# KiCad board corne-cherry.kicad_pcb (continued)
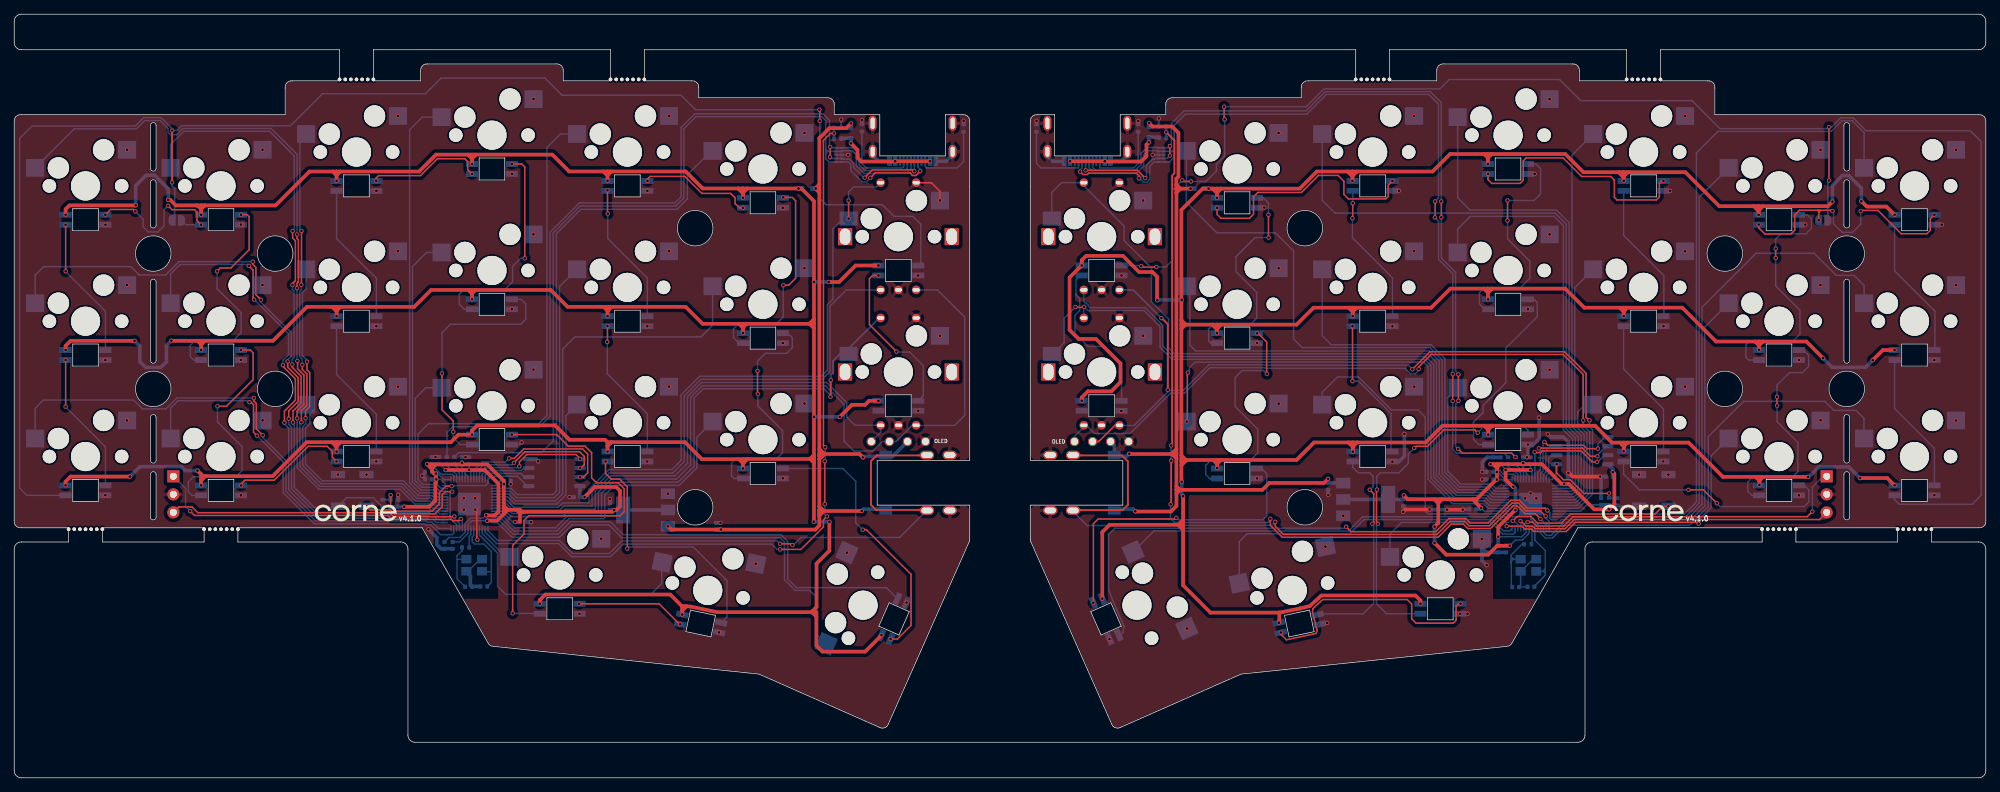
[diagram p0: board, top side]
## Nets
+1V1: C3.1 C4.1 C5.1 U1.23 U1.45 U1.50
+1V1R: rC3.1 rC4.1 rC5.1 rU1.23 rU1.45 rU1.50
+3V3: C7.1 C8.1 C9.1 C10.1 C11.1 C12.1 C13.1 C14.1 C15.1 C16.1 R7.2 U1.1 U1.10 U1.22 U1.32 U1.33 U1.42 U1.43 U1.44 U1.48 U1.49 U2.2 U4.8
+3V3R: rC7.1 rC8.1 rC9.1 rC10.1 rC11.1 rC12.1 rC13.1 rC14.1 rC15.1 rC16.1 rR7.2 rU1.1 rU1.10 rU1.22 rU1.33 rU1.42 rU1.43 rU1.44 rU1.48 rU1.49 rU2.2 rU4.8
+5V: C6.1 D1.2 J2.T J3.3 U2.3 ZD1.1
+5VR: rC6.1 rD1.2 rJ2.T rJ3.3 rU2.3 rZD1.1
GND: C1.2 C2.2 C3.2 C4.2 C5.2 C6.2 C7.2 C8.2 C9.2 C10.2 C11.2 C12.2 C13.2 C14.2 C15.2 C16.2 EXLED1.3 EXLED2.3 EXSW1.C EXSW1.S1 EXSW2.C EXSW2.S1 J1.A1 J1.A12 J1.B1 J1.B12 J1.S1 J2.S J3.4 J4.2 LED1.3 LED2.3 LED3.3 LED4.3 LED5.3 LED6.3 LED7.3 LED8.3 LED9.3 LED10.3 LED11.3 LED12.3 LED13.3 LED14.3 LED15.3 LED16.3 LED17.3 LED18.3 LED19.3 LED20.3 LED21.3 R1.1 R2.1 R9.2 SMDSW1.1 SMDSW2.1 SW1.2 SW2.2 SW3.2 SW4.2 SW5.2 SW6.2 SW7.2 SW8.2 SW9.2 SW10.2 SW11.2 SW12.2 SW13.2 SW14.2 SW15.2 SW16.2 SW17.2 SW18.2 SW19.2 SW20.2 SW21.2 U1.19 U1.57 U2.1 U3.3 U3.8 U4.4 Y1.2 Y1.4
GNDR: rC1.2 rC2.2 rC3.2 rC4.2 rC5.2 rC6.2 rC7.2 rC8.2 rC9.2 rC10.2 rC11.2 rC12.2 rC13.2 rC14.2 rC15.2 rC16.2 rEXLED1.3 rEXLED2.3 rEXSW1.C rEXSW1.S1 rEXSW2.C rEXSW2.S1 rJ1.A1 rJ1.A12 rJ1.B1 rJ1.B12 rJ1.S1 rJ2.S rJ3.4 rJ4.2 rLED1.3 rLED2.3 rLED3.3 rLED4.3 rLED5.3 rLED6.3 rLED7.3 rLED8.3 rLED9.3 rLED10.3 rLED11.3 rLED12.3 rLED13.3 rLED14.3 rLED15.3 rLED16.3 rLED17.3 rLED18.3 rLED19.3 rLED20.3 rLED21.3 rR1.1 rR2.1 rR9.2 rSMDSW1.1 rSMDSW2.1 rSW1.2 rSW2.2 rSW3.2 rSW4.2 rSW5.2 rSW6.2 rSW7.2 rSW8.2 rSW9.2 rSW10.2 rSW11.2 rSW12.2 rSW13.2 rSW14.2 rSW15.2 rSW16.2 rSW17.2 rSW18.2 rSW19.2 rSW20.2 rSW21.2 rU1.19 rU1.32 rU1.57 rU2.1 rU3.3 rU3.8 rU4.4 rY1.2 rY1.4
VBUS: J1.A4 J1.A9 J1.B4 J1.B9 R8.1 ZD1.2
VBUSR: rJ1.A4 rJ1.A9 rJ1.B4 rJ1.B9 rR8.1 rZD1.2
/left/D+: J1.A6 J1.B6 R4.1 U3.1 U3.4 U3.7 U3.10
/left/D-: J1.A7 J1.B7 R5.2 U3.2 U3.5 U3.6 U3.9
/left/KEY1: SW1.1 U1.14
/left/KEY2: SW2.1 U1.12
/left/KEY3: SW3.1 U1.4
/left/KEY4: SW4.1 U1.2
/left/KEY5: SW5.1 U1.41
/left/KEY6: SW6.1 U1.3
/left/KEY7: SW7.1 U1.5
/left/KEY8: SW8.1 U1.18
/left/KEY9: SW9.1 U1.17
/left/KEY10: SW10.1 U1.40
/left/KEY11: SW11.1 U1.39
/left/KEY12: SW12.1 U1.38
/left/KEY13: SW13.1 U1.35
/left/KEY14: SW14.1 U1.36
/left/KEY15: SW15.1 U1.37
/left/KEY16: SW16.1 U1.27
/left/KEY17: SW17.1 U1.29
/left/KEY18: SW18.1 U1.31
/left/KEY19: SW19.1 U1.34
/left/KEY20: SW20.1 U1.30
/left/KEY21: SW21.1 U1.28
/left/KEYEX1: EXSW1.S2 U1.6
/left/KEYEX2: EXSW2.S2 U1.11
/left/LED: LED1.4 U1.13
/left/QSPI_SCLK: U1.52 U4.6
/left/QSPI_SD0: U1.53 U4.5
/left/QSPI_SD1: U1.55 U4.2
/left/QSPI_SD2: U1.54 U4.3
/left/QSPI_SD3: U1.51 U4.7
/left/QSPI_SS: R6.1 R7.1 U1.56 U4.1
/left/RE0A: EXSW1.A U1.7
/left/RE1A: EXSW2.A J3.1 U1.8
/left/REB: EXSW1.B EXSW2.B J3.2 U1.9
/left/SWCLK: J4.1 U1.24
/left/SWD: J4.3 U1.25
/left/TX: J2.R U1.15
/left/USB_VBUS_PIN: R8.2 R9.1 U1.16
/right/D+: rJ1.A6 rJ1.B6 rR4.1 rU3.1 rU3.4 rU3.7 rU3.10
/right/D-: rJ1.A7 rJ1.B7 rR5.2 rU3.2 rU3.5 rU3.6 rU3.9
/right/KEY1: rSW1.1 rU1.30
/right/KEY2: rSW2.1 rU1.34
/right/KEY3: rSW3.1 rU1.38
/right/KEY4: rSW4.1 rU1.39
/right/KEY5: rSW5.1 rU1.3
/right/KEY6: rSW6.1 rU1.40
/right/KEY7: rSW7.1 rU1.31
/right/KEY8: rSW8.1 rU1.28
/right/KEY9: rSW9.1 rU1.27
/right/KEY10: rSW10.1 rU1.41
/right/KEY11: rSW11.1 rU1.2
/right/KEY12: rSW12.1 rU1.4
/right/KEY13: rSW13.1 rU1.5
/right/KEY14: rSW14.1 rU1.6
/right/KEY15: rSW15.1 rU1.7
/right/KEY16: rSW16.1 rU1.29
/right/KEY17: rSW17.1 rU1.17
/right/KEY18: rSW18.1 rU1.12
/right/KEY19: rSW19.1 rU1.11
/right/KEY20: rSW20.1 rU1.14
/right/KEY21: rSW21.1 rU1.18
/right/KEYEX1: rEXSW1.S2 rU1.37
/right/KEYEX2: rEXSW2.S2 rU1.35
/right/LED: rLED1.4 rU1.13
/right/QSPI_SCLK: rU1.52 rU4.6
/right/QSPI_SD0: rU1.53 rU4.5
/right/QSPI_SD1: rU1.55 rU4.2
/right/QSPI_SD2: rU1.54 rU4.3
/right/QSPI_SD3: rU1.51 rU4.7
/right/QSPI_SS: rR6.1 rR7.1 rU1.56 rU4.1
/right/RE0A: rEXSW1.A rU1.36
/right/RE1A: rEXSW2.A rJ3.1 rU1.8
/right/REB: rEXSW1.B rEXSW2.B rJ3.2 rU1.9
/right/SWCLK: rJ4.1 rU1.24
/right/SWD: rJ4.3 rU1.25
/right/TX: rJ2.R rU1.15
/right/USB_VBUS_PIN: rR8.2 rR9.1 rU1.16
Net-(C2-Pad1): C2.1 R3.1 Y1.3
Net-(D1-K): D1.1 EXLED1.1 EXLED2.1 LED1.1 LED2.1 LED3.1 LED4.1 LED5.1 LED6.1 LED7.1 LED8.1 LED9.1 LED10.1 LED11.1 LED12.1 LED13.1 LED14.1 LED15.1 LED16.1 LED17.1 LED18.1 LED19.1 LED20.1 LED21.1
Net-(EXLED1-DIN): EXLED1.4 JP1.2 LED21.2
Net-(EXLED1-DOUT): EXLED1.2 EXLED2.4
Net-(J1-CC1): J1.A5 R1.2
Net-(J1-CC2): J1.B5 R2.2
Net-(JP1-A): JP1.1 LED18.2 LED19.4
Net-(LED1-DOUT): LED1.2 LED2.4
Net-(LED2-DOUT): LED2.2 LED3.4
Net-(LED3-DOUT): LED3.2 LED4.4
Net-(LED4-DOUT): LED4.2 LED5.4
Net-(LED5-DOUT): LED5.2 LED6.4
Net-(LED6-DOUT): LED6.2 LED7.4
Net-(LED7-DOUT): LED7.2 LED8.4
Net-(LED8-DOUT): LED8.2 LED9.4
Net-(LED10-DIN): LED9.2 LED10.4
Net-(LED10-DOUT): LED10.2 LED11.4
Net-(LED11-DOUT): LED11.2 LED12.4
Net-(LED12-DOUT): LED12.2 LED13.4
Net-(LED13-DOUT): LED13.2 LED14.4
Net-(LED14-DOUT): LED14.2 LED15.4
Net-(LED15-DOUT): LED15.2 LED16.4
Net-(LED16-DOUT): LED16.2 LED17.4
Net-(LED17-DOUT): LED17.2 LED18.4
Net-(LED19-DOUT): LED19.2 LED20.4
Net-(LED20-DOUT): LED20.2 LED21.4
Net-(R6-Pad2): R6.2 SMDSW1.2
Net-(rC2-Pad1): rC2.1 rR3.1 rY1.3
Net-(rD1-K): rD1.1 rEXLED1.1 rEXLED2.1 rLED1.1 rLED2.1 rLED3.1 rLED4.1 rLED5.1 rLED6.1 rLED7.1 rLED8.1 rLED9.1 rLED10.1 rLED11.1 rLED12.1 rLED13.1 rLED14.1 rLED15.1 rLED16.1 rLED17.1 rLED18.1 rLED19.1 rLED20.1 rLED21.1
Net-(rEXLED1-DIN): rEXLED1.4 rJP1.2 rLED21.2
Net-(rEXLED1-DOUT): rEXLED1.2 rEXLED2.4
Net-(rJ1-CC1): rJ1.A5 rR1.2
Net-(rJ1-CC2): rJ1.B5 rR2.2
Net-(rJP1-A): rJP1.1 rLED18.2 rLED19.4
Net-(rLED1-DOUT): rLED1.2 rLED2.4
Net-(rLED2-DOUT): rLED2.2 rLED3.4
Net-(rLED3-DOUT): rLED3.2 rLED4.4
Net-(rLED4-DOUT): rLED4.2 rLED5.4
Net-(rLED5-DOUT): rLED5.2 rLED6.4
Net-(rLED6-DOUT): rLED6.2 rLED7.4
Net-(rLED7-DOUT): rLED7.2 rLED8.4
Net-(rLED8-DOUT): rLED8.2 rLED9.4
Net-(rLED10-DIN): rLED9.2 rLED10.4
Net-(rLED10-DOUT): rLED10.2 rLED11.4
Net-(rLED11-DOUT): rLED11.2 rLED12.4
Net-(rLED12-DOUT): rLED12.2 rLED13.4
Net-(rLED13-DOUT): rLED13.2 rLED14.4
Net-(rLED14-DOUT): rLED14.2 rLED15.4
Net-(rLED15-DOUT): rLED15.2 rLED16.4
Net-(rLED16-DOUT): rLED16.2 rLED17.4
Net-(rLED17-DOUT): rLED17.2 rLED18.4
Net-(rLED19-DOUT): rLED19.2 rLED20.4
Net-(rLED20-DOUT): rLED20.2 rLED21.4
Net-(rR6-Pad2): rR6.2 rSMDSW1.2
Net-(rU1-RUN): rSMDSW2.2 rU1.26
Net-(rU1-USB_DM): rR5.1 rU1.46
Net-(rU1-USB_DP): rR4.2 rU1.47
Net-(rU1-XIN): rC1.1 rU1.20 rY1.1
Net-(rU1-XOUT): rR3.2 rU1.21
Net-(U1-RUN): SMDSW2.2 U1.26
Net-(U1-USB_DM): R5.1 U1.46
Net-(U1-USB_DP): R4.2 U1.47
Net-(U1-XIN): C1.1 U1.20 Y1.1
Net-(U1-XOUT): R3.2 U1.21

Pads without a net: EXLED2 2; J1 A8 B8; rEXLED2 2; rJ1 A8 B8

## Via types
v1: diameter 0.6, hole 0.4, Top to Bottom, 452 vias

## Routing (per net, layer and track width the routed paths; a pad name or vN(x,y) marks a point on that pad's centre or on a via; arc(x,y) is an arc through that point)
+1V1: length 29.3
  Top w0.203: 63.04,43.32 63.92,43.32 v1(63.97,43.37)
  Top w0.508: 66.35,36.92 67.56,36.92 68.09,37.45 68.09,41.39 66.16,43.32 v1(60.66,43.32)
  Bottom w0.203: v1(63.97,43.37) 63.97,43.32 ; 63.97,43.32 63.97,44.18 ; 63.97,43.32 64.21,43.08 U1.50 ; v1(66.34,36.95) 65.96,36.57 64.2,36.57 63.41,35.79 63.41,35.49 63.41,35.48 U1.23 63.41,34.58 62.66,33.83 61.13,33.83 C3.1 ; 59.8,44.19 60.66,43.33 v1(60.66,43.32) 60.86,43.13 61.76,43.13 62.21,42.68 U1.45
+1V1R: length 27
  Top w0.203: 213.19,43.34 v1(213.2,43.33)
  Top w0.508: v1(208.67,33.93) 208.67,35.32 211.08,37.73 211.08,37.7 v1(211.1,37.69) ; v1(210.81,40.98) 210.71,40.98 209.7,41.98 v1(209.7,43.34) 213.19,43.34
  Bottom w0.203: 213.42,42 213.42,43.11 v1(213.2,43.33) 213.2,44.16 ; 209.97,43.14 210.99,43.14 211.42,42.71 211.42,42 ; 209.97,43.14 208.97,44.14 ; 209.97,43.14 209.77,43.34 v1(209.7,43.34) ; v1(208.67,33.93) 211.97,33.93 212.62,34.58 rU1.23
  Bottom w0.508: v1(211.1,37.69) 211.1,40.69 v1(210.81,40.98) ; v1(208.67,33.93) 208.67,32.69
+3V3: length 108.9
  Top w0.203: 71.11,36.02 71.08,36 v1(70.43,36) ; 58.74,43.16 58.72,43.16 ; v1(59.31,42.83) 59.06,42.83 ; 62.95,44.14 62.91,44.11 ; 58.09,44.11 v1(58.04,44.16)
  Top w0.508: 69.42,37.72 69.42,37.71 68.85,37.14 ; 69.42,37.72 69.41,37.72 68.85,38.28 ; 69.42,37.72 68.85,37.72 ; 69.42,37.72 70.61,37.72 ; 62.98,44.11 66.53,44.11 C14.1 v1(68.85,41.33) 68.85,38.28 ; 58.72,43.62 58.58,43.62 58.09,44.11 59.3,44.11 ; 58.72,43.62 58.72,44.09 ; 58.72,43.62 58.8,43.62 59.3,44.11 ; 58.72,43.62 58.72,43.16 ; 71.11,37.13 71.11,36.02 ; 71.11,37.13 71.11,37.23 70.61,37.72 ; 71.11,37.13 71.43,37.46 71.73,37.46 ; 71.11,37.13 71.11,37.72 ; 71.73,37.46 84.11,37.46 v1(84.36,37.7) 84.68,37.7 85.18,38.2 85.18,40.4 84.64,40.94 81.63,40.94 v1(80.2,39.5) ; 71.73,37.46 71.37,37.46 71.11,37.72 ; 68.85,37.14 68.85,37.72 ; 68.85,37.14 67.93,36.23 66.55,36.23 v1(66.5,36.18) ; 68.85,37.72 68.85,38.28 ; v1(59.31,42.83) 59.31,41.57 59.22,41.48 59.22,39.02 58.36,38.16 54.84,38.16 v1(54.84,38.16) ; 59.3,44.11 62.91,44.11 ; 71.11,37.72 70.61,37.72 ; 59.06,42.83 58.74,43.16
  Bottom w0.203: U1.43 60.4,41.98 59.55,42.83 v1(59.31,42.83) ; v1(66.5,36.18) 64.36,36.18 63.81,35.62 U1.22 63.81,34.41 62.59,33.2 C7.1 ; v1(70.43,36) 70.11,36 68.57,37.54 U1.10 ; 71.08,36 C9.1 ; U1.32 59.82,37.14 59.43,37.52 59.43,37.54 ; 58.72,44.03 60.03,42.72 61.61,42.72 61.81,42.53 U1.44 ; v1(59.35,42) 60,42 60.57,41.44 U1.42 ; 59.43,37.54 59.42,37.55 58.73,37.55 58.13,38.15 54.85,38.15 v1(54.84,38.16) ; 59.43,37.54 59.44,37.55 59.66,37.55 60.56,37.55 U1.33 ; C15.1 62.95,43.61 63.41,43.15 ; U1.1 67.66,41.14 68.35,41.83 68.82,41.83 ; U1.49 63.81,42.42 63.41,42.82 63.41,43.15 ; 63.41,43.15 U1.48
  Bottom w0.508: 83.76,37.7 C11.1 ; 83.76,37.7 U2.2 U2.2 ; 83.76,37.7 v1(84.36,37.7) ; v1(80.2,39.5) C16.1 ; 52.94,38.16 C10.1 v1(54.84,38.16) ; C13.1 58.98,42.83 v1(59.31,42.83) ; v1(68.85,41.33) C14.1 ; 62.95,43.94 C15.1 ; v1(59.35,42) C12.1 ; v1(70.43,36) 71.08,36 ; U4.8 79.55,39.6 ; v1(58.04,44.16) 58.68,44.16
  vias: v1(62.95,44.36)
+3V3R: length 110.5
  Top w0.508: 205.6,39.2 205.6,39.2 208.37,41.97 v1(208.49,41.97) v1(208.49,43.04) 208.49,43.6 ; 205.6,39.2 205.1,39.2 ; 205.6,39.2 205.6,38.65 ; 205.1,39.2 205.6,38.7 205.6,38.65 ; 205.1,39.2 200.76,39.2 ; 208.49,43.6 208.49,44.13 208.47,44.15 ; 208.49,43.6 208.49,43.68 208.96,44.15 ; 208.49,43.6 207.93,44.16 v1(207.59,44.16) 207.59,44.15 208.47,44.15 ; 200.24,38.63 200.24,35.88 v1(199.73,35.36) ; 200.24,38.63 199.67,39.2 ; 200.24,38.63 200.24,38.68 200.76,39.2 ; v1(206.25,37.99) 205.6,38.65 ; v1(195.39,39.76) 195.94,39.2 199.67,39.2 ; 208.96,44.15 214.8,44.15 217.57,41.38 217.92,41.38 v1(217.94,41.37) 218.59,41.37 222.17,37.79 v1(224.25,37.79) 225,38.54 225,42.8 v1(224.77,43.03) ; 208.96,44.15 208.47,44.15 ; 200.76,39.2 199.67,39.2 ; v1(210.3,32.67) 208.53,32.67 207.27,31.41 201.36,31.41 v1(199.72,33.05)
  Bottom w0.203: rU1.10 220.24,37.54 221.12,38.42 rC9.1 ; 213.02,42 213.02,42.45 212.62,42.85 ; 211.02,42 211.02,42.55 210.84,42.73 209.4,42.73 208.07,44.06 207.94,44.06 ; rU1.22 213.02,34.43 212.08,33.49 211.11,33.49 v1(210.3,32.67) 209.77,32.67 209.75,32.69 ; rU1.33 209.78,37.55 206.7,37.55 v1(206.25,37.99) ; 212.62,42 212.62,43.17 212.16,43.63 212.16,44.17 ; rC12.1 v1(208.49,41.97) 209.28,41.97 209.79,41.46 209.79,41.16 ; 207.98,43.04 208.57,43.04 209.63,41.98 210.6,41.98 ; 224.21,38.42 rR7.2 ; rU1.1 218.25,41.14 rC14.1
  Bottom w0.508: rC14.1 218.47,41.37 v1(217.94,41.37) ; v1(207.59,44.16) 207.59,44.15 rC8.1 ; rU4.8 224.77,43.46 v1(224.77,43.03) rC16.1 ; rC13.1 208.01,43.04 v1(208.49,43.04) ; v1(206.25,37.99) 206.06,37.8 rC10.1 ; 212.18,44.37 212.18,44.16 rC15.1 212.18,44.14 212.18,43.92 ; v1(199.73,35.36) 199.71,35.35 199.71,33.06 v1(199.72,33.05) ; rC11.1 195.39,39.27 v1(195.39,39.76) ; rC9.1 224.21,38.42 ; rU2.2 rU2.2 195.3,39.18 ; v1(224.25,37.79) rR7.2
  vias: v1(212.18,44.32)
+5V: length 114.1
  Top w0.203: v1(99.38,34.94) 98.7,34.94
  Top w0.508: 113.85,37.56 113.22,38.19 ; 113.85,37.56 113.34,37.56 113.22,37.69 ; 113.85,37.56 113.22,36.92 113.22,36.82 ; 113.85,37.56 v1(119.17,37.56) ; 113.22,38.19 113.22,37.69 ; 113.22,38.19 113.22,44.86 ; 112.75,82.96 112.75,82.85 113.22,82.38 ; 112.75,82.96 112.85,82.96 ; 112.75,82.96 112.75,83.06 113.21,83.52 113.21,83.54 ; 113.22,37.69 113.21,37.68 113.21,37.18 113.22,37.17 113.22,36.82 ; 113.22,36.82 113.22,35.52 112.64,34.94 98.7,34.94 ; v1(99.38,34.94) 99.37,34.94 92.38,34.94 91.93,35.4 v1(91.92,35.4) ; 113.78,45.58 113.78,45.73 113.22,46.29 ; 113.78,45.58 113.78,45.43 113.22,44.86 ; 113.78,45.58 113.22,45.58 113.22,45.25 ; 113.78,45.58 118.85,45.58 v1(119.34,45.1) ; 113.21,83.54 113.21,82.6 113.22,82.59 113.22,82.38 ; 113.21,83.54 113.21,90.04 114.63,91.46 117.01,91.46 v1(117.68,92.12) ; 113.22,45.25 113.22,44.86 ; 113.22,45.25 113.22,46.29 ; 113.22,46.29 113.22,82.38
  Bottom w0.203: 98.69,34.95 C6.1
  Bottom w0.508: 122.55,37.83 119.43,37.83 v1(119.17,37.56) ; ZD1.1 117.68,91.46 v1(117.68,92.12) ; 122.9,45.58 122.55,45.23 ; 122.55,45.23 123.5,45.23 J3.3 ; 122.55,45.23 119.47,45.23 v1(119.34,45.1) ; 98.69,34.95 99.37,34.95 v1(99.38,34.94) ; v1(112.69,82.96) D1.2
+5VR: length 110.8
  Top w0.508: 162.88,45.58 162.88,45.5 163.42,44.95 ; 162.88,45.58 163.4,45.58 163.42,45.56 ; 162.88,45.58 156.77,45.58 156.79,45.6 v1(156.79,45.61) ; 162.88,45.58 162.88,45.75 163.42,46.29 ; 163.42,45.56 163.42,46.29 ; 163.42,45.56 163.42,44.95 ; 163.42,40.54 163.42,40 ; 163.42,40.54 163.42,41.04 ; 163.42,40.54 164.1,40.54 ; 163.42,40 163.92,40.5 163.92,40.54 ; 163.42,40 163.42,38.27 162.64,37.48 157.66,37.48 157.64,37.51 v1(157.64,37.52) ; 163.42,46.29 163.42,82.36 ; 164.02,82.94 163.45,82.94 163.42,82.91 163.42,82.86 ; 164.02,82.94 v1(165.41,82.94) ; 164.02,82.94 163.97,82.94 ; 163.42,44.95 163.42,41.04 ; 163.42,41.04 163.92,40.54 ; 163.42,82.86 163.42,82.36 ; 163.42,82.86 163.41,82.87 163.41,83.5 ; 163.92,40.54 164.1,40.54 ; 163.42,82.36 163.97,82.91 163.97,82.94 ; 164.1,40.54 175.52,40.54 176.48,41.5 184.17,41.5 v1(184.75,42.08) ; 163.41,83.5 163.41,84.35 163.7,84.64 163.7,90.79 162.82,91.68 160.06,91.68 v1(159.59,92.15) ; 163.41,83.5 163.97,82.94
  Bottom w0.508: v1(184.75,42.08) rC6.1 186.86,41.5 rU2.3 ; rD1.2 165.95,82.94 v1(165.41,82.94) ; v1(156.79,45.61) 156.41,45.24 154.68,45.24 ; v1(157.64,37.52) 157.32,37.83 154.68,37.83 ; rZD1.1 159.59,91.61 v1(159.59,92.15) ; rJ3.3 154.68,46.82 154.68,45.23
GND: length 43.5
  Top w0.203: EXSW1.S1 128.95,83.78 130.16,82.57 v1(130.16,81.27) ; v1(65.12,33.5) 65.05,33.58 65.05,37.74 v1(64.83,37.74) ; EXSW2.C 124.88,49.63
  Bottom w0.203: U1.19 65.01,33.62 v1(65.12,33.5) ; U3.3 U3.8 117.25,87.69 v1(117.26,87.68) ; v1(71.35,47.21) 71.03,46.9 LED10.3 ; 63.7,28.96 65.4,30.66 ; 64,28.56 63.58,28.98
  Bottom w0.25: C12.2 57.78,42.12 ; R9.2 116.27,92.65 v1(116.29,92.67) ; 53.99,39.14 C10.2 ; C13.2 57.78,42.94
  Bottom w0.508: J1.A1 121.56,86.79 120.71,87.65 J1.S1 ; C4.2 63.47,45.14 v1(63.46,45.13) 62.96,45.13 C15.2 ; v1(78.08,39.51) 78.68,39.51 C16.2 ; R1.1 119.22,92.02 v1(119.22,92.58) ; U4.4 73.36,44.87 v1(73.68,44.55) ; v1(83.76,39.27) C11.2 ; v1(53.99,39.83) 53.99,39.14 ; 57.78,42.94 v1(57.37,42.53) 57.78,42.12 ; C7.2 C3.2 60.01,32.24 59.43,32.82 59.43,33.8 v1(58.25,34.98) ; C6.2 98.71,35.89 v1(99.32,35.89) ; v1(72.68,36) C9.2 ; 64,28.56 64.15,28.41 64.15,27.1 C2.2 64.4,26.93 C1.2 ; J1.S1 131.95,87.69 131.05,86.79 J1.A12 ; C5.2 59.74,45.17 v1(59.24,45.17) 58.73,45.17 C8.2 ; v1(133.5,92.49) 133.5,91.97 R2.1 ; v1(69.81,41.33) C14.2
  vias: v1(12.83,77.86) v1(12.82,58.79) v1(12.82,39.77) v1(15.85,50.3) v1(15.87,88.4) v1(15.87,69.37) v1(31.87,77.87) v1(31.87,58.81) v1(31.88,39.76) v1(34.92,88.4) v1(34.91,69.36) v1(34.92,50.31) v1(45.53,42.68) v1(49.54,42.68) v1(50.93,82.63) v1(50.93,63.57) v1(50.92,44.53) v1(53.96,93.16) v1(53.97,74.12) v1(53.97,55.06) v1(63.23,39.34) v1(63.23,37.74) v1(64.83,39.34) v1(69.98,85.01) v1(69.98,65.95) v1(73.02,95.55) v1(73.01,76.5) v1(73.02,57.47) v1(79.48,23.09) v1(82.54,33.65) v1(89.03,82.62) v1(89.03,63.56) v1(89.03,44.52) v1(91.92,40) v1(92.07,93.17) v1(92.07,74.13) v1(92.07,55.07) v1(99.12,20.46) v1(104.28,30.14) v1(108.07,80.24) v1(108.07,61.19) v1(108.08,42.15) v1(111.12,90.78) v1(111.12,71.73) v1(111.12,52.68) v1(117.09,31.69) v1(125.48,24.67) v1(127.12,70.7) v1(127.13,51.66) v1(130.17,62.21)
GNDR: length 91.7
  Top w0.508: v1(201.48,37.74) v1(203.69,37.74) ; v1(223,42.41) 222.99,42.4 219.12,42.4 218.6,42.92 v1(218.53,42.92) ; v1(195.31,37.44) 195.64,37.77 v1(199.02,37.77)
  Bottom w0.203: v1(204.36,23.09) 203.33,23.09 v1(203.33,23.09) ; rU3.3 rU3.8 160.08,87.69 v1(160.08,87.69) ; 213.57,30.76 211.87,29.06 ; v1(213.79,85.01) 212.86,85.01 212.85,85 ; rLED18.3 250.96,77.87 v1(251.85,77.87) ; rY1.2 211.82,27.07 rC2.2 212.76,26.85 ; v1(175.77,80.27) 174.78,80.27 rLED4.3 ; v1(184.63,21.8) 183.77,21.8 rLED8.3 ; rU1.19 214.22,35.64 214,35.86 213.8,35.86 213.22,36.44 rU1.57 211.43,36.75 210.7,36.75 210.3,37.14 rU1.32 ; rLED13.3 231.9,82.62 v1(232.83,82.62) ; v1(271.03,77.86) 270,77.86 rLED19.3 ; rLED5.3 193.81,82.63 v1(194.73,82.63)
  Bottom w0.25: rR9.2 160.94,92.82 v1(160.95,92.83)
  Bottom w0.508: v1(207.04,29.93) 206.38,30.6 206.38,31.09 ; rR1.1 143.76,91.98 v1(143.76,92.49) ; rU1.57 v1(213.22,40.04) ; 207.08,31.73 206.38,31.73 206.38,32.31 ; 207.08,31.73 rC3.2 209.73,31.73 ; 207.08,31.73 207.01,31.73 ; v1(212.7,45.11) 212.85,45.27 rLED10.3 213.6,46.9 214.43,47.73 v1(214.43,50.7) ; v1(212.7,45.11) rC15.2 ; v1(212.7,45.11) rC4.2 ; rC10.2 203.74,37.8 v1(203.69,37.74) ; v1(215.64,48.36) 216.05,47.95 rU4.4 217.84,47.95 218.54,47.26 218.54,42.39 rC14.2 218.53,42.38 v1(218.53,42.92) ; rJ1.S1 156.52,87.65 155.66,86.79 rJ1.A12 ; 207.01,31.73 206.96,31.73 206.38,32.31 ; 207.01,31.73 206.38,31.09 ; 206.38,32.31 v1(206.38,33.61) 206.38,31.09 ; v1(195.31,37.44) 195.32,37.45 195.32,38.24 ; rC13.2 207,43.06 v1(206.44,43.06) 206.44,44.45 207.1,45.11 rC8.2 208.98,45.11 ; v1(199.02,37.77) 199.05,37.74 v1(201.48,37.74) ; 147.64,86.78 146.02,86.78 145.28,87.52 rJ1.S1 ; rC6.2 184.75,39.84 v1(184.78,39.8) ; v1(195.48,48.41) 195.48,45.27 194.73,44.52 rLED7.3 ; rC16.2 223.01,42.4 v1(223,42.41) 223.12,42.29 223.12,39.39 rC9.2 ; rR2.1 158.05,91.99 v1(158.05,92.46) ; v1(206.42,41.99) 207,41.99 rC12.2
  vias: v1(154.01,19.52) v1(155.7,70.71) v1(155.68,51.63) v1(158.74,81.26) v1(158.75,62.22) v1(164.91,21.01) v1(174.75,61.21) v1(174.77,42.14) v1(177.79,90.77) v1(177.8,71.73) v1(177.8,52.67) v1(184.38,32.54) v1(186.88,36.88) v1(193.8,63.54) v1(193.8,44.5) v1(196.83,93.16) v1(196.83,74.12) v1(196.86,55.06) v1(212.42,39.33) v1(212.85,65.95) v1(212.85,46.91) v1(214.02,39.33) v1(215.9,95.53) v1(215.89,76.49) v1(215.9,57.44) v1(228.49,42.68) v1(231.91,63.56) v1(231.89,44.53) v1(232.6,42.68) v1(234.94,93.16) v1(234.94,74.11) v1(234.94,55.06) v1(250.96,58.8) v1(250.95,39.76) v1(253.99,88.39) v1(253.98,69.36) v1(253.99,50.33) v1(270,58.8) v1(270,39.78) v1(273.05,88.4) v1(273.05,69.35) v1(273.05,50.3)
VBUS: length 15
  Top w0.203: v1(123.88,86.79) 123.83,86.75
  Top w0.508: 123.83,86.75 119.12,86.75 118.57,87.29 118.57,88.4 v1(117.66,89.31) ; v1(123.88,86.79) v1(128.78,86.79)
  Bottom w0.508: R8.1 116.36,90.03 ZD1.2 117.69,89.99 117.69,89.34 v1(117.66,89.31)
VBUSR: length 15.3
  Top w0.508: v1(159.56,89.46) 159.21,89.11 159.21,87.53 158.42,86.75 153.39,86.75 v1(153.35,86.79) v1(148.45,86.79)
  Bottom w0.508: v1(159.56,89.46) rZD1.2 160.86,90.18 rR8.1
/left/D+: length 134.9
  Top w0.203: v1(120.38,84.46) 121.07,85.15 125.94,85.15 126.31,84.79 126.8,84.79 127.4,85.39 v1(127.4,85.39)
  Bottom w0.203: v1(120.38,84.46) 120.38,84.43 119.83,83.88 119.22,83.88 117.62,85.48 117.62,86.34 117.28,86.69 U3.10 U3.1 ; 114.12,87.75 114.12,87.11 114.55,86.68 115.57,86.68 ; 114.12,87.75 114.12,88.19 ; 114.12,87.75 114.12,87.89 114.41,88.19 ; 114.41,88.19 114.12,88.48 114.12,88.65 ; 114.41,88.19 U3.4 U3.7 116.44,88.28 117.82,88.28 118.41,87.7 118.41,86.13 119.48,85.07 125.4,85.07 126.09,85.75 126.09,86.78 ; 114.41,88.19 114.12,88.19 ; 114.12,88.19 114.12,88.65 ; 114.12,88.65 114.12,92.51 113.55,93.07 95.85,93.07 94.16,91.38 94.16,81.64 93.01,80.49 79.58,80.49 75.8,76.71 75.8,47.43 74.15,45.78 62.5,45.78 R4.1 ; v1(127.4,85.39) 127.4,85.67 127.08,85.99 J1.B6
/left/D-: length 132
  Top w0.203: v1(126.55,85.39) 126.36,85.57 120.65,85.57 119.59,84.51 v1(119.59,84.47) ; v1(114.73,88.81) 114.73,87.38 v1(114.71,87.35)
  Bottom w0.203: v1(114.71,87.35) 114.87,87.19 U3.2 U3.9 116.44,87.09 117.43,87.09 118.02,86.51 118.02,85.93 119.48,84.47 v1(119.59,84.47) ; U3.6 U3.5 114.85,88.69 114.65,88.89 114.65,92.54 113.72,93.46 95.68,93.46 93.77,91.55 93.77,81.8 92.9,80.94 79.47,80.94 75.35,76.82 75.35,50.89 73.87,49.41 61.6,49.41 60.86,48.66 60.86,45.15 ; 116.35,88.68 117.98,88.68 118.8,87.86 118.8,86.3 119.64,85.46 125.24,85.46 125.58,85.8 J1.B7 ; v1(126.55,85.39) 126.56,85.39 126.56,86.77
/left/KEY1: length 61.4
  Bottom w0.203: U1.14 67.92,35.94 70,33.86 76.66,33.86 78.39,35.59 83.63,35.59 85.44,33.78 107.69,33.78 108.3,33.17 108.3,27.89 109.82,26.37 111.83,26.37 112.84,25.36 112.84,20.17 SW1.1
/left/KEY2: length 42.3
  Bottom w0.203: U1.12 68.25,36.74 70.25,34.75 76.29,34.75 78.03,36.48 82.88,36.48 83.03,36.63 83.03,39.78 84.42,41.17 93.52,41.17 95.99,43.64 95.99,47.94 SW2.1
/left/KEY3: length 58.8
  Bottom w0.203: U1.4 69.56,39.94 70.51,38.99 76.12,38.99 77.13,39.99 77.13,60.35 78.84,62.06 96.57,62.06 98.2,63.69 98.2,69.01 98.29,69.1
/left/KEY4: length 74.4
  Bottom w0.203: U1.2 69.88,40.74 70.74,39.87 75.76,39.87 76.24,40.36 76.24,76.59 79.68,80.03 93.19,80.03 94.65,81.5 94.65,84.89 98.01,88.24 98.19,88.24
/left/KEY5: length 72.7
  Bottom w0.203: U1.41 59.99,40.74 59.44,41.29 57.49,41.29 56.77,42.01 56.77,48.37 58.26,49.85 73.76,49.85 74.91,51 74.91,88.73 76.81,90.63 79.13,90.63 SW5.1
/left/KEY6: length 42.4
  Bottom w0.203: U1.3 69.72,40.34 70.63,39.43 75.94,39.43 76.68,40.17 76.68,69.17 79.09,71.58 SW6.1
/left/KEY7: length 24.4
  Bottom w0.203: SW7.1 77.57,50.96 77.57,39.81 76.31,38.54 70.4,38.54 69.4,39.54 67.45,39.54 U1.5
/left/KEY8: length 36.4
  Bottom w0.203: SW8.1 91.04,30.26 91.04,27.34 89.52,25.82 69.1,25.82 67.97,26.96 67.97,31.64 65.41,34.2 U1.18
/left/KEY9: length 5.4
  Bottom w0.203: 69.1,31.09 65.81,34.39 U1.17
/left/KEY10: length 20.7
  Bottom w0.203: U1.40 59.83,40.34 59.27,40.9 57.33,40.9 56.38,41.85 56.38,53.43 57.86,54.91 SW10.1
/left/KEY11: length 40.5
  Bottom w0.203: SW11.1 57.98,73.96 55.99,71.96 55.99,41.69 57.17,40.51 59.11,40.51 59.67,39.94 U1.39
/left/KEY12: length 60.7
  Bottom w0.203: U1.38 59.52,39.54 58.94,40.12 57,40.12 55.6,41.52 55.6,91.22 57.38,93.01 SW12.1
/left/KEY13: length 71.7
  Top w0.203: v1(40.38,50.05) 40.37,50.06 40.37,51.67 41.15,52.44 41.15,56.84 40.51,57.48 v1(40.51,58.14) ; v1(40.38,69.4) 40.39,69.42 v1(40.39,76.98)
  Bottom w0.203: SW13.1 40.15,90.63 40.17,90.61 40.17,77.2 v1(40.39,76.98) ; 40.37,69.07 40.38,69.08 v1(40.38,69.4) 40.38,68.69 40.14,68.46 40.14,59.27 40.51,58.9 v1(40.51,58.14) ; U1.35 60.56,38.35 59.04,38.35 58.45,38.94 56.5,38.94 54.43,41.01 42.99,41.01 40.17,43.83 40.17,49.84 v1(40.38,50.05)
/left/KEY14: length 50.8
  Top w0.203: v1(41.17,58.58) 41.17,57.44 41.56,57.05 41.56,52.25 40.96,51.66 v1(40.96,50.61)
  Bottom w0.203: U1.36 59.21,38.74 58.62,39.33 56.66,39.33 54.59,41.4 43.16,41.4 40.57,43.99 40.57,49.39 40.98,49.8 40.98,50.6 v1(40.96,50.61) ; SW14.1 41.04,68.8 40.53,68.29 40.53,59.43 41.17,58.8 v1(41.17,58.58)
/left/KEY15: length 30.5
  Bottom w0.203: U1.37 60.56,39.15 59.35,39.15 58.78,39.72 56.82,39.72 54.75,41.8 43.31,41.8 40.96,44.15 40.96,49.23 41.56,49.83 41.56,52.01 SW15.1
/left/KEY16: length 57.9
  Top w0.203: v1(34.13,48.17) 33.65,48.65 33.65,52.53 33.3,52.88 v1(33.08,52.88)
  Bottom w0.203: U1.27 61.81,34.48 61.55,34.23 60.97,34.23 60.97,34.22 59.95,34.22 58.59,35.58 57.91,35.58 57.74,35.76 42.19,35.76 37.82,40.14 37.82,44.48 v1(34.13,48.17) ; SW16.1 21.99,52.04 23.03,53.07 32.88,53.07 v1(33.08,52.88)
/left/KEY17: length 75.4
  Top w0.203: v1(37.79,58.1) 37.79,57.92 39.54,56.17 39.54,53.16 37.99,51.62 v1(37.99,49.99) ; v1(32.98,72.06) 33.59,71.46 33.59,67.47 v1(33.74,67.32)
  Bottom w0.203: v1(37.99,49.99) 37.99,49.81 38.6,49.21 38.6,40.52 42.58,36.55 58.06,36.55 58.24,36.37 58.92,36.37 59.35,35.94 U1.29 ; v1(32.98,72.06) 32.78,72.26 23.33,72.26 21.99,70.92 SW17.1 ; v1(37.79,58.1) 37.79,58.8 38.57,59.58 38.57,62.51 33.76,67.32 v1(33.74,67.32)
/left/KEY18: length 94.1
  Top w0.203: v1(39.15,76.97) 39.15,75.98 39.54,75.59 39.54,70 39.13,69.59 v1(39.13,69.39) ; v1(39.19,50.01) 39.19,51.61 40.34,52.76 40.34,56.53 39.09,57.77 v1(39.09,58.18)
  Bottom w0.203: v1(39.09,58.18) 39.08,58.19 39.08,58.91 39.35,59.19 39.35,68.48 39.13,68.7 v1(39.13,69.39) ; v1(39.15,76.97) 39.38,77.2 39.38,87.53 35.9,91.01 23.86,91.01 21.99,89.14 SW18.1 ; v1(39.19,50.01) 39.39,49.81 39.39,40.88 42.93,37.33 58.39,37.33 58.57,37.16 59.24,37.16 59.66,36.74 U1.31
/left/KEY19: length 110.8
  Top w0.203: v1(39.77,76.49) 39.77,75.91 39.96,75.73 39.96,69.82 39.75,69.61 v1(39.75,68.91) ; v1(39.82,58.68) 39.85,58.65 39.85,57.59 40.73,56.71 40.73,52.58 39.78,51.63 v1(39.78,50.59)
  Bottom w0.203: v1(39.77,76.49) 39.77,87.76 36.12,91.41 23.7,91.41 22.82,90.53 21.97,90.53 21.62,90.88 21.62,91.41 20.51,92.53 18.35,92.53 17.18,91.36 8.44,91.36 SW19.1 ; v1(39.82,58.68) 39.75,58.75 39.75,68.9 v1(39.75,68.91) ; U1.34 59.67,37.94 58.89,37.94 58.29,38.54 56.34,38.54 54.26,40.61 42.83,40.61 39.78,43.66 v1(39.78,50.59)
/left/KEY20: length 95.4
  Top w0.203: v1(38.6,50.55) 38.6,51.66 39.93,52.99 39.93,56.34 38.46,57.81 38.46,58.6 v1(38.44,58.62) ; v1(34.7,67.29) 33.98,68.01 33.98,71.85 33.55,72.28 v1(33.55,72.65)
  Bottom w0.203: v1(34.7,67.29) 34.7,66.93 38.96,62.67 38.96,59.35 38.44,58.83 v1(38.44,58.62) ; v1(38.6,50.55) 38.6,49.76 38.99,49.37 38.99,40.71 42.77,36.94 58.22,36.94 58.4,36.76 59.08,36.76 59.5,36.35 60.11,36.35 60.12,36.34 U1.30 ; SW20.1 2.94,70.75 4.14,71.95 16.42,71.95 17.58,70.79 21.31,70.79 23.17,72.65 v1(33.55,72.65)
/left/KEY21: length 77
  Top w0.203: v1(33.69,53.47) 33.69,53.04 34.04,52.69 34.04,49.13 v1(34.94,48.23)
  Bottom w0.203: SW21.1 2.94,52.01 4.1,53.17 16.78,53.17 18.02,51.93 21.33,51.93 22.86,53.47 v1(33.69,53.47) ; v1(34.94,48.23) 34.94,47.91 38.21,44.64 38.21,40.33 42.38,36.15 57.9,36.15 58.08,35.98 58.75,35.98 59.63,35.1 U1.28
/left/KEYEX1: length 93.6
  Top w0.203: v1(117.33,81.27) v1(117.33,78.72)
  Bottom w0.203: U1.6 69.19,39.14 70.23,38.1 76.5,38.1 77.11,38.7 80.81,38.7 80.81,40.59 83.61,43.39 92.48,43.39 93.78,44.69 93.78,53.92 96.39,56.54 113.5,56.54 114.32,57.35 114.32,66.56 115.12,67.36 115.12,77.25 116.58,78.72 v1(117.33,78.72) ; v1(117.33,81.27) 117.33,82.47 118.03,83.18 121.23,83.18 EXSW1.S2
/left/KEYEX2: length 79.1
  Top w0.25: v1(114.81,55.98) 114.81,53.66 v1(114.78,53.63)
  Bottom w0.203: v1(114.78,53.63) 114.78,53.83 113.85,54.76 96.88,54.76 95.6,53.48 95.6,43.86 93.35,41.61 84.15,41.61 82.58,40.05 82.58,36.93 77.84,36.93 76.11,35.19 70.36,35.19 68.42,37.13 67.94,37.13 ; U1.11 67.94,37.14
  Bottom w0.25: EXSW2.S2 121.63,64.73 117.33,60.42 EXSW2.S2 116.12,59.67 115.13,58.68 115.13,57.02 114.81,56.7 v1(114.81,55.98)
/left/LED: length 65.9
  Bottom w0.203: U1.13 68.1,36.34 70.13,34.3 76.47,34.3 78.21,36.04 83.81,36.04 85.62,34.23 107.8,34.23 108.76,33.27 108.76,27.99 109.98,26.76 122.63,26.76 124.18,25.21 LED1.4
/left/QSPI_SCLK: length 19.7
  Top w0.203: v1(70.26,44.33) 71.83,45.9 79.51,45.9 80.15,45.26 80.15,44.06 79.69,43.6 v1(79.56,43.6)
  Bottom w0.203: U1.52 65.01,43.07 65.99,44.06 69.99,44.06 v1(70.26,44.33)
/left/QSPI_SD0: length 16.8
  Top w0.203: v1(79.56,44.88) 79.56,44.96 79.01,45.5 72.07,45.5 71.02,44.46 v1(71.02,43.84)
  Bottom w0.203: U1.53 65.41,42.87 66.2,43.66 70.85,43.66 v1(71.02,43.84)
/left/QSPI_SD1: length 6.5
  Bottom w0.203: 71.76,42.33 71.24,42.85 66.5,42.85 66.21,42.56 U1.55
/left/QSPI_SD2: length 6.9
  Bottom w0.203: U1.54 65.81,42.72 66.33,43.25 71.3,43.25 71.65,43.59
/left/QSPI_SD3: length 22.8
  Top w0.203: v1(79.56,42.33) 80.03,42.33 80.63,42.93 80.63,45.58 79.91,46.29 71.63,46.29 70.31,44.96 v1(69.58,44.96)
  Bottom w0.203: v1(69.58,44.96) 69.07,44.45 65.78,44.45 64.61,43.27 U1.51
/left/QSPI_SS: length 26.7
  Top w0.203: v1(52.93,39.8) 52.93,38.27 53.65,37.55 58.76,37.55 59.79,38.57 59.79,40.14 60.7,41.05 v1(61.5,41.05)
  Bottom w0.203: 72.16,41.06 70.76,42.46 67.09,42.46 U1.56 66.61,41.46 66.28,41.13 61.64,41.13 61.55,41.05 v1(61.5,41.05) ; R6.1 R7.1 52.93,39.17
  Bottom w0.508: v1(52.93,39.8) 52.93,39.17
/left/RE0A: length 79.8
  Bottom w0.203: U1.7 69.03,38.74 70.12,37.65 76.69,37.65 77.29,38.26 81.25,38.26 81.25,40.47 83.67,42.9 92.59,42.9 94.22,44.52 94.22,53.77 96.54,56.09 113.61,56.09 114.72,57.2 114.72,66.41 116.99,68.68 EXSW1.A
/left/RE1A: length 76
  Bottom w0.203: J3.1 121.83,48.64 EXSW2.A 118.21,49.63 117.07,50.78 117.07,52.8 114.22,55.65 96.65,55.65 94.66,53.66 94.66,44.27 92.9,42.5 83.85,42.5 81.69,40.35 81.69,37.81 77.47,37.81 76.87,37.21 70.01,37.21 68.88,38.34 U1.8
/left/REB: length 111.4
  Bottom w0.203: J3.2 123.99,47.33 126.28,49.63 126.34,49.63 ; EXSW1.B 129.83,68.68 133.66,64.85 133.66,51.02 132.24,49.6 127.13,49.6 127.11,49.63 ; 122.46,47.33 122.04,47.33 120.7,45.99 118.07,45.99 116.67,47.39 116.67,52.59 114.08,55.18 96.74,55.18 95.11,53.55 95.11,44.06 93.1,42.06 83.98,42.06 82.14,40.21 82.14,37.37 77.66,37.37 77.05,36.77 69.89,36.77 68.72,37.94 U1.9
/left/SWCLK: length 46
  Top w0.203: v1(24.75,37.54) 25.36,36.93 52.59,36.93 53.15,36.37 61.47,36.37 61.64,36.2 62.55,36.2 v1(62.79,36.44)
  Bottom w0.203: v1(62.79,36.44) 63.01,36.23 U1.24 ; J4.1 24.09,40.73 24.09,38.2 v1(24.75,37.54)
/left/SWD: length 42.4
  Top w0.203: v1(61.89,36.79) 61.86,36.76 53.32,36.76 52.76,37.32 25.8,37.32 24.99,38.13 23.15,38.13 J4.3
  Bottom w0.203: v1(61.89,36.79) 61.89,36.51 62.61,35.79 U1.25
/left/TX: length 88.9
  Top w0.203: v1(107.7,32.94) 109.25,32.94 v1(109.43,32.77)
  Top w0.25: 128.35,45.38 121.26,45.38 120.47,44.59 120.47,38.43 121.19,37.71 128.32,37.71 128.35,37.68
  Bottom w0.203: 66.62,35.1 66.62,34.79 68,33.42 76.65,33.42 78.5,31.57 83.67,31.57 85.44,33.34 107.3,33.34 v1(107.7,32.94) ; 128.35,37.68 124.5,33.84 110.64,33.84 109.57,32.77 v1(109.43,32.77)
/left/USB_VBUS_PIN: length 110.2
  Top w0.203: v1(114.27,36.79) 113.78,36.3 113.78,35.32 110.62,32.15 v1(107.7,32.15) ; v1(113.97,44.57) 113.96,44.56 v1(113.96,38.53) ; v1(114.04,46.53) 113.78,46.78 113.78,89.73 114.77,90.71 v1(115.27,90.71)
  Bottom w0.203: v1(114.27,36.79) 113.96,37.1 v1(113.96,38.53) ; v1(113.97,44.57) 114.04,44.63 v1(114.04,46.53) ; U1.16 66.21,34.58 66.5,34.28 66.54,34.28 67.85,32.97 76.54,32.97 78.38,31.13 83.85,31.13 85.62,32.9 106.51,32.9 107.26,32.15 v1(107.7,32.15)
  Bottom w0.25: R8.2 v1(115.27,90.71) 115.27,91.49 R9.1
